# KiCad board 8851_HW-U1-VCU118_REV2-0_071417.kicad_pcb (continued)
## Routing (per net, layer and track width the routed paths; a pad name or vN(x,y) marks a point on that pad's centre or on a via; arc(x,y) is an arc through that point) (continued)
  21_GND w0.5: 54.23,112.45 J32.2 ; J32.2 55.53,111.15 ; J32.2 56.49,113.42 ; J32.2 56.49,111.49 ; J32.2 56.83,112.45 ; J32.2 54.56,113.42 ; J32.2 55.53,113.75 ; J32.2 54.56,111.49 ; 30.93,101.67 J30.4 ; J30.4 33.2,100.7 ; J30.4 32.87,101.67 ; J30.4 32.87,99.74 ; J30.4 30.93,99.74 ; J30.4 31.9,102 ; J30.4 30.6,100.7 ; J30.4 31.9,99.4 ; 84.06,133.42 J34.4 ; J34.4 83.73,132.45 ; J34.4 86.33,132.45 ; J34.4 84.06,131.49 ; J34.4 85.03,131.15 ; J34.4 85.99,131.49 ; J34.4 85.99,133.42 ; J34.4 85.03,133.75 ; J32.3 55.53,108.75 ; J32.3 54.56,108.42 ; J32.3 56.49,108.42 ; J32.3 56.83,107.45 ; J32.3 56.49,106.49 ; J32.3 54.23,107.45 ; J32.3 54.56,106.49 ; J32.3 55.53,106.15 ; J33.3 56.49,94.74 ; J33.3 54.23,95.7 ; J33.3 54.56,94.74 ; J33.3 55.53,94.4 ; J33.3 56.49,96.67 ; J33.3 54.56,96.67 ; J33.3 56.83,95.7 ; J33.3 55.53,97 ; 68.28,126.15 J35.3 ; J35.3 69.24,128.42 ; J35.3 69.24,126.49 ; J35.3 68.28,128.75 ; J35.3 67.31,126.49 ; J35.3 67.31,128.42 ; J35.3 69.58,127.45 ; J35.3 66.98,127.45 ; 30.6,95.7 J30.5 ; J30.5 32.87,96.67 ; J30.5 31.9,94.4 ; J30.5 33.2,95.7 ; J30.5 32.87,94.74 ; J30.5 31.9,97 ; J30.5 30.93,96.67 ; J30.5 30.93,94.74 ; 59.56,96.67 J33.5 ; J33.5 61.83,95.7 ; J33.5 61.49,96.67 ; J33.5 60.53,94.4 ; J33.5 59.23,95.7 ; J33.5 59.56,94.74 ; J33.5 61.49,94.74 ; J33.5 60.53,97 ; 72.31,131.49 J35.4 ; J35.4 72.31,133.42 ; J35.4 74.58,132.45 ; J35.4 71.98,132.45 ; J35.4 73.28,131.15 ; J35.4 74.24,133.42 ; J35.4 73.28,133.75 ; J35.4 74.24,131.49 ; J30.3 28.2,95.7 ; J30.3 25.93,96.67 ; J30.3 25.6,95.7 ; J30.3 27.87,94.74 ; J30.3 26.9,94.4 ; J30.3 27.87,96.67 ; J30.3 26.9,97 ; J30.3 25.93,94.74 ; 59.23,107.45 J32.5 ; J32.5 60.53,106.15 ; J32.5 59.56,108.42 ; J32.5 59.56,106.49 ; J32.5 61.49,106.49 ; J32.5 60.53,108.75 ; J32.5 61.83,107.45 ; J32.5 61.49,108.42 ; J34.2 80.99,131.49 ; J34.2 79.06,133.42 ; J34.2 80.99,133.42 ; J34.2 80.03,133.75 ; J34.2 79.06,131.49 ; J34.2 81.33,132.45 ; J34.2 80.03,131.15 ; J34.2 78.73,132.45 ; J31.4 21.12,99.74 ; J31.4 21.45,100.7 ; J31.4 20.15,99.4 ; J31.4 19.18,101.67 ; J31.4 20.15,102 ; J31.4 19.18,99.74 ; J31.4 21.12,101.67 ; J31.4 18.85,100.7 ; J31.5 21.12,96.67 ; J31.5 20.15,94.4 ; J31.5 21.45,95.7 ; J31.5 19.18,94.74 ; J31.5 19.18,96.67 ; J31.5 18.85,95.7 ; J31.5 21.12,94.74 ; J31.5 20.15,97 ; J31.3 15.15,97 ; J31.3 14.18,96.67 ; J31.3 14.18,94.74 ; J31.3 16.45,95.7 ; J31.3 16.12,96.67 ; J31.3 16.12,94.74 ; J31.3 13.85,95.7 ; J31.3 15.15,94.4 ; 14.18,99.74 J31.2 ; J31.2 16.12,99.74 ; J31.2 16.12,101.67 ; J31.2 13.85,100.7 ; J31.2 15.15,102 ; J31.2 15.15,99.4 ; J31.2 14.18,101.67 ; J31.2 16.45,100.7 ; 83.73,127.45 J34.5 ; J34.5 85.03,128.75 ; J34.5 84.06,126.49 ; J34.5 86.33,127.45 ; J34.5 85.99,128.42 ; J34.5 85.99,126.49 ; J34.5 85.03,126.15 ; J34.5 84.06,128.42 ; J34.3 81.33,127.45 ; J34.3 79.06,128.42 ; J34.3 80.99,128.42 ; J34.3 80.03,126.15 ; J34.3 79.06,126.49 ; J34.3 80.99,126.49 ; J34.3 80.03,128.75 ; J34.3 78.73,127.45 ; 59.23,112.45 J32.4 ; J32.4 60.53,111.15 ; J32.4 59.56,111.49 ; J32.4 61.83,112.45 ; J32.4 61.49,111.49 ; J32.4 60.53,113.75 ; J32.4 59.56,113.42 ; J32.4 61.49,113.42 ; 73.28,126.15 J35.5 ; J35.5 71.98,127.45 ; J35.5 72.31,126.49 ; J35.5 73.28,128.75 ; J35.5 74.58,127.45 ; J35.5 74.24,126.49 ; J35.5 72.31,128.42 ; J35.5 74.24,128.42 ; 67.31,131.49 J35.2 ; J35.2 69.24,133.42 ; J35.2 68.28,133.75 ; J35.2 67.31,133.42 ; J35.2 66.98,132.45 ; J35.2 69.58,132.45 ; J35.2 69.24,131.49 ; J35.2 68.28,131.15 ; 54.56,99.74 J33.2 ; J33.2 56.49,101.67 ; J33.2 54.56,101.67 ; J33.2 55.53,102 ; J33.2 56.49,99.74 ; J33.2 55.53,99.4 ; J33.2 54.23,100.7 ; J33.2 56.83,100.7 ; 59.56,101.67 J33.4 ; J33.4 59.56,99.74 ; J33.4 60.53,102 ; J33.4 61.83,100.7 ; J33.4 61.49,101.67 ; J33.4 60.53,99.4 ; J33.4 61.49,99.74 ; J33.4 59.23,100.7 ; J30.2 27.87,101.67 ; J30.2 26.9,102 ; J30.2 25.6,100.7 ; J30.2 26.9,99.4 ; J30.2 25.93,101.67 ; J30.2 27.87,99.74 ; J30.2 28.2,100.7 ; J30.2 25.93,99.74
  BOTTOM w0.15: v2(78.07,116.31) 78.58,115.8 79.22,115.8 79.55,115.47 79.55,115.12 80.37,114.3 80.38,114.3 80.38,113.71 80.53,113.56 80.53,113.15 80.24,112.86 80.22,112.86 80.22,112.86 79.55,112.86 v2(79.06,112.37) ; 176.5,32.81 175.52,31.83 174.27,31.83 173.3,32.81 173.3,35.25 172.85,35.7 172.85,36.28 172.25,36.88 171.57,36.88 171.19,36.49 U31.7 168.61,36.49 168.41,36.69 168.41,36.91 168.61,37.11 U31.6 ; 224.4,85.58 v3(224.4,86.77) ; v3(52.74,76.92) U33.10 ; R1318.2 205.44,102.23 v3(204.99,101.78) ; v3(204.99,91.53) 205.44,91.98 R1317.2 ; v3(204.99,111.95) 205.44,112.41 R1319.2 ; v3(204.99,81.28) 205.44,81.73 R170.2 ; R891.2 v3(119.98,167.78) ; 55.29,131.93 55.29,132.69 55.36,132.76 55.36,133.26 54.79,133.26 54.76,133.23 R992.2 C1289.2 ; v3(8.79,166.01) 7.89,165.11 U154.13 ; 18.01,167.52 v3(18.01,165.23) ; 71.13,107.55 71.67,108.09 71.67,108.92 v2(71.18,109.41) 70.69,108.92 70.69,107.99 71.13,107.55
  BOTTOM w0.175: 34.63,68.23 34.63,68.73 34.8,68.91 v3(35.58,68.91)
  BOTTOM w0.188: 140,96.89 140,96.29 139.93,96.22 139.93,95.79 140.19,95.53 140.19,94.73 138.7,93.24 134.7,93.24 129.36,87.9 128.97,87.9 128.73,87.65 128.73,87.27 128.4,86.95 127.96,86.95 127.65,86.64 127.65,86.23 127.38,85.96 127.01,85.96 126.71,85.66 126.71,85.29 126.41,84.99 126.04,84.99 125.72,84.68 125.72,84.27 125.45,83.99 125.01,83.99 124.74,83.73 124.74,78.32 124.5,78.08 120.12,78.08 119.83,77.77 119.83,77.42 119.33,76.92 v2(119.33,76.62) ; 130.01,99.55 129.53,99.07 129.53,92.45 125.73,88.65 125.73,85.29 125.44,85 125.06,85 124.71,84.65 124.71,84.24 124.44,83.96 123.99,83.96 123.76,83.73 123.76,80.24 123.58,80.06 123.47,80.06 123.06,80.06 123.06,80.06 123.06,80.04 122.77,79.76 122.77,79.31 122.54,79.08 121.79,79.08 v2(121.3,78.59) ; 149.06,85.12 148.87,85.31 143.55,85.31 142.68,86.19 138.84,86.19 138.62,85.97 135.86,85.97 135.57,85.68 135.57,85.32 135.23,84.98 134.89,84.98 134.58,84.68 134.58,84.3 134.28,84 133.87,84 133.6,83.73 133.6,83.28 133.32,83 131.89,83 131.65,82.76 131.65,76.11 v2(132.12,75.63) ; v2(128.19,77.6) 128.68,78.09 128.68,82.71 128.98,83.01 130.38,83.01 130.65,83.29 130.65,83.7 130.95,84 131.36,84 131.65,84.29 131.65,84.7 131.95,85 133.31,85 133.62,85.31 133.62,85.69 133.89,85.95 134.3,85.95 134.6,86.25 134.6,86.7 134.85,86.95 135.26,86.95 135.53,87.21 135.53,87.87 135.88,88.22 143.33,88.22 144.83,86.72 148.89,86.72 149.08,86.53 ; v2(97.67,111.54) 98.15,112.02 99.85,112.02 99.88,112 100.79,112 101.75,111.04 102.55,111.04 102.95,111.44 102.95,111.81 102.22,112.54 102.22,114.31 102.77,114.86 ; v2(129.17,88.43) 128.93,88.67 128.93,90.5 137.76,99.34 137.76,100.42 ; 143.12,31.59 143.12,31.85 140.4,34.57 140.4,40.53 138.5,42.42 138.5,43.29 138.15,43.64 137.81,43.64 137.54,43.91 137.54,44.39 137.3,44.63 136.93,44.63 136.55,45 136.55,49.3 136.3,49.55 129.93,49.55 129.66,49.82 129.66,50.23 129.36,50.53 126.01,50.53 125.73,50.82 125.73,51.27 125.48,51.52 125.01,51.52 124.74,51.79 124.74,52.28 124.52,52.5 124.06,52.5 123.76,52.81 123.76,53.21 123.48,53.49 123.04,53.49 122.77,53.76 122.77,54.2 122.28,54.69 v2(122.28,54.96)
  BOTTOM w0.2: v3(53.25,76.32) 53.43,76.5 U33.1 ; v3(145.08,104.72) 145.08,104.28 144.77,103.98 144.77,103.44 ; 51.14,78.32 51.41,78.32 v3(51.82,78.73) 52.23,78.32 52.74,78.32 ; 53.82,78.61 53.82,79.46 v3(53.81,79.47) 53.43,79.09 53.43,78.61 ; v3(50.76,76.34) 50.45,76.65 U22.2
  BOTTOM w0.237: 100.54,116.43 99.68,116.43 v2(99.65,116.46)
  BOTTOM w0.25: C1209.2 159.41,51.72 v1(159.41,51.53) ; v1(157.83,93.16) C1202.2 ; v1(157.83,44.45) 157.98,44.3 C1210.2 ; C1228.2 159.8,37.8 v1(159.41,37.41) ; v1(159.41,93.16) 159.8,93.55 C1221.2 ; C1161.2 167.55,30.5 v3(167.49,30.56) ; C1222.2 157.98,85.92 v1(157.83,86.07) ; 159.31,58.37 160.14,58.37 v1(160.19,58.32) ; 151.67,31.23 152.2,31.23 v1(152.32,31.11) ; C1178.2 153.73,37.57 v1(153.9,37.41) ; v3(144.26,99.55) 144.28,99.57 144.28,100.53 ; 165.18,66.98 v3(165.18,67.87) ; v4(38.88,105) 38.38,104.5 37.42,104.5 ; v1(155.47,30.32) 154.76,29.62 C1160.2 ; 175.49,49.81 175.51,49.82 v3(175.51,50.71) ; v1(164.92,72.2) 165.17,71.94 C1197.2 ; v1(159.41,65.41) 159.41,65.6 C1213.2 ; v1(155.47,46.81) 154.8,47.48 C1211.2 ; C1175.2 161.71,93.88 v1(160.98,93.16) ; 189.45,26.72 189.32,26.59 188.08,26.59 ; 56.27,129.03 56.27,128.14 v3(56.71,127.71) ; 161.69,68.88 161.86,69.05 161.86,69.83 v3(160.97,69.83) ; v3(143.23,118.86) 143.23,119.87 ; 161.69,82.74 161.69,83.24 161.86,83.41 161.86,83.7 v3(161.22,83.7) ; v1(160.98,37.41) 161.71,38.13 C1177.2 ; C1401.2 155.54,117.63 156,117.17 v3(156,116.9) 156.13,116.77 156.13,115.75 ; v1(164.92,44.45) 165.17,44.19 C1189.2 ; C1214.2 157.98,58.17 v1(157.83,58.32) ; v1(162.56,58.32) 162.8,58.08 C1147.2 ; 218.31,46.71 217.05,46.71 216.78,46.98 U4.20 ; v1(153.9,93.16) 153.73,93.32 C1174.2 ; 183.56,134.84 182.3,134.84 182.03,135.11 U30.20 ; v1(160.98,65.41) 161.61,65.41 161.92,65.72 C1168.2 ; v1(153.9,65.41) 153.73,65.57 C1169.2 ; v3(164.95,53.84) 164.96,53.83 164.96,53.82 165.18,53.59 165.18,53.11 ; 159.31,44.5 160.14,44.5 v1(160.19,44.45) ; C1162.2 162.8,30.08 v1(162.56,30.32) ; v3(165.43,140.17) 165.43,139.14 165.65,138.92 165.57,138.83 165.57,137.67 ; v1(157.83,65.41) C1194.2 ; 203.72,62.67 204.19,62.67 204.65,63.12 v3(204.92,63.12) 205.05,63.25 206.07,63.25 ; v4(38.88,104) 38.88,104.01 40.33,104.01 ; C1216.2 154.8,61.36 v1(155.47,60.68) ; v1(160.19,72.2) 160.14,72.25 159.31,72.25 ; 164.06,66.98 v3(164.06,67.87) ; v1(157.83,37.41) C1207.2 ; 154.75,93.99 154.75,93.88 v1(155.47,93.16) ; v1(155.47,79.28) 154.75,80.01 154.75,80.12 ; 56.76,131.93 56.78,131.95 56.78,132.91 v3(56.98,133.11) ; 154.75,52.24 155.45,51.53 v1(155.47,51.53) ; v1(155.47,86.07) 154.76,85.37 C1154.2 ; C1220.2 157.98,72.05 v1(157.83,72.2) ; C1145.2 154.76,43.74 v1(155.47,44.45) ; 159.21,135.28 159.2,135.29 v3(158.31,135.29) ; v1(162.56,86.07) 162.8,85.83 C1153.2 ; C1227.2 154.8,33.36 v1(155.47,32.68) ; C1172.2 153.73,79.45 v1(153.9,79.28) ; 164.06,80.86 v3(164.06,81.62) ; v3(212.07,63) 211.81,63.25 U6.20 ; C1204.2 165.17,30.07 v1(164.92,30.32) ; v3(161.05,42.12) 161.09,42.08 161.86,42.08 161.86,41.3 161.69,41.13 ; v1(152.32,86.86) 152.2,86.98 151.67,86.98 ; C1144.2 162.8,44.2 v1(162.56,44.45) ; 165.18,80.86 v3(165.18,81.62) ; 161.86,55.95 v3(161.18,55.95) ; C1148.2 154.76,57.62 v1(155.47,58.32) ; v1(155.47,37.41) 154.75,38.13 154.75,38.24 ; C1166.2 153.73,51.7 v1(153.9,51.53) ; C1165.2 161.92,51.95 161.51,51.53 v1(160.98,51.53) ; v1(162.56,72.2) 162.8,71.95 C1150.2 ; C1224.2 154.8,89.11 v1(155.47,88.43) ; 154.75,66.12 154.76,66.12 155.36,65.52 v1(155.47,65.41) ; v1(157.83,51.53) C1188.2 ; v3(180.38,43.58) 179.35,43.58 179.13,43.37 179.05,43.45 177.88,43.45 ; C1219.2 154.8,75.23 v1(155.47,74.56) ; 144.71,115.6 v1(144.71,116.61) ; v1(155.47,72.2) 154.76,71.49 C1151.2 ; 45.31,115.65 45.31,116.11 44.85,116.57 v3(44.85,116.85) 44.72,116.98 44.72,118 ; C1146.2 165.3,57.49 C1193.2 165.17,58.07 v1(164.92,58.32) ; C1143.2 162.67,41.56 162.49,41.74 162.49,42.08 v3(163.15,42.08) ; 164.06,53.11 v3(164.06,53.8)
  BOTTOM w0.3: 82.9,108.07 82.38,108.07 v2(82.01,108.43) ; v1(157.83,79.28) 157.68,79.43 C1196.2 ; 174.64,37.11 173.66,37.11 173.38,36.83 v3(173.38,36.49) 174.64,36.49 ; v2(83.88,113.51) 83.68,113.3 82.9,113.3 ; C1575.2 150.38,75.42 v3(150.75,75.8) 150.75,76.05 150.38,76.42 C1450.2 ; 187.18,151.48 v3(187.18,152.56) ; v2(83.89,111.54) 83.52,111.17 82.9,111.17 ; C1269.2 97.9,121.61 v2(97.67,121.38) ; 160.33,56.37 160.77,56.37 v3(161.18,55.95) ; 151.62,80.06 151.26,80.06 v3(150.75,79.55) ; 183.32,117.04 184.11,117.04 v3(184.4,116.75) 184.38,116.75 184.38,116.72 184.19,116.54 183.32,116.54 ; 8.25,82.76 8.25,83.12 8.04,83.32 v3(7.88,83.32) ; v3(7.88,70.7) 8.25,70.33 8.25,70.13 ; 160.25,42.43 160.73,42.43 v3(161.05,42.12) ; C1171.2 161.53,79.83 v1(160.98,79.28) ; 82.9,118.55 83.88,118.55 v2(83.89,118.55) ; C1226.2 157.98,30.17 v1(157.83,30.32) ; Z8.2 176.54,35.64 v3(176.12,36.05) ; 82.9,116.55 83.79,116.55 v2(83.89,116.46) ; v1(159.41,79.28) 159.62,79.5 C1218.2 ; v3(36.27,104.52) 36.3,104.5 37.42,104.5 ; 191.46,64.94 v3(191.46,63.95) ; 185.7,155.75 v3(185.7,154.64) ; C154.2 v3(191.07,118.78)
  BOTTOM w0.375: v3(219.57,43.77) 220.78,43.77 220.78,43.77 ; 49.38,81.31 49.38,80.8 v3(49.62,80.55) ; v3(150.62,39.55) C1467.2 149.99,39.55 R116.2 ; C803.2 v3(22.87,140.88) ; v3(147.2,132.23) 147.74,131.69 C1636.2 ; v3(51.87,127.43) 51.87,128.11 52.33,128.57 52.75,128.15 v3(52.75,127.43) ; v2(86.84,120.4) 86.15,121.09 C1281.2 ; 73.97,55.06 v1(74.37,55.45) ; 56.56,115.94 56.56,115.49 v3(56.77,115.27) ; v3(91.22,32.48) 91.22,31.51 90.64,30.93 90.12,31.44 v3(90.12,32.48) ; R356.2 v3(61.78,137.2) ; 234.29,115.44 v3(234.29,116.37) ; 217.53,60.33 J23.1 ; J23.1 219.8,61.3 ; J23.1 219.47,62.27 ; J23.1 217.2,61.3 ; J23.1 219.47,60.33 ; J23.1 218.5,62.6 ; J23.1 217.53,62.27 ; 18.6,89.53 18.3,89.53 v3(17.4,88.62) ; 229.3,39.27 230.27,40.24 ; 229.3,39.27 228.33,40.24 ; 229.3,39.27 228.33,38.3 ; 229.3,39.27 228,39.27 ; 229.3,39.27 230.27,38.3 ; C1109.2 v3(122.24,159.41) ; 165.18,94.73 v3(166.25,94.73) ; 78.7,49.55 v1(79.09,49.15) ; 228.33,28.3 229.3,29.27 ; 229.3,29.27 230.27,30.24 ; 229.3,29.27 230.27,28.3 ; 229.3,29.27 228.33,30.24 ; 229.3,29.27 228,29.27 ; 10.8,40.04 11.81,41.05 ; 11.81,41.05 10.8,42.06 ; 11.81,41.05 11.81,42.41 ; 11.81,41.05 12.82,40.04 ; 11.81,41.05 12.82,42.06 ; 11.81,41.05 11.81,39.69 ; 11.81,41.05 13.17,41.05 ; 11.81,41.05 10.45,41.05 ; 20.67,41.05 22.03,41.05 ; 20.67,41.05 19.66,42.06 ; 20.67,41.05 20.67,42.41 ; 20.67,41.05 20.67,39.69 ; 20.67,41.05 19.31,41.05 ; 20.67,41.05 21.68,42.06 ; 20.67,41.05 21.68,40.04 ; 20.67,41.05 19.66,40.04 ; 26.25,141.06 v3(26.25,139.73) ; 32.99,77.52 v3(32.99,79.29) ; J26.1 197.68,127.3 ; J26.1 197.34,126.33 ; J26.1 195.41,128.27 ; J26.1 195.07,127.3 ; J26.1 195.41,126.33 ; J26.1 196.38,128.6 ; J26.1 197.34,128.27 ; 67.67,76.51 v1(67.28,76.11) ; 45.13,138.18 45.12,138.18 45,138.3 v3(44.35,138.3) 43.97,138.3 R204.2 ; MH4.1 8.02,146.46 ; MH4.1 5.38,140.14 ; MH4.1 8.02,141.16 ; MH4.1 5.38,147.49 ; MH4.1 9.05,143.81 ; v3(178.95,120.06) 178.39,120.06 177.73,119.4 C163.2 177.73,119.22 178.37,118.58 v3(179.02,118.58) ; 32.94,33.57 33.96,34.58 ; 33.96,34.58 33.96,35.94 ; 33.96,34.58 33.96,33.22 ; 33.96,34.58 32.94,35.59 ; 33.96,34.58 34.97,35.59 ; 33.96,34.58 32.59,34.58 ; 33.96,34.58 34.97,33.57 ; 33.96,34.58 35.32,34.58 ; 26.51,110.8 v3(25.8,110.8) ; v3(44.37,136.74) 44.12,136.49 C133.2 ; 7.38,58.39 7.38,59.75 ; 7.38,59.75 8.74,59.75 ; 7.38,59.75 6.37,60.76 ; 7.38,59.75 6.37,58.74 ; 7.38,59.75 6.02,59.75 ; 7.38,59.75 8.4,60.76 ; 7.38,59.75 8.4,58.74 ; 7.38,59.75 7.38,61.11 ; 33.75,139.81 34.87,139.81 34.87,139 v4(34.75,138.88) ; 122.88,31.92 122.88,32.55 122.85,32.57 v3(122.85,33.23) ; 11.05,160.78 11.83,160.78 v3(12.21,160.4) ; C862.2 38.44,103.57 v4(38.88,104) ; C820.2 v3(18.92,125.83) ; 25.21,126.16 26.51,126.16 ; 26.51,126.16 25.54,127.13 ; 26.51,126.16 27.48,125.19 ; 26.51,126.16 25.54,125.19 ; 36.75,134.92 36.75,135.9 v4(36.71,135.94) ; v3(54.96,61.78) 54.96,60.5 54.96,59.89 55.61,59.24 55.61,58.08 ; 229.3,31.77 230.27,30.8 ; 229.3,31.77 228.33,30.8 ; 229.3,31.77 228.33,32.74 ; 229.3,31.77 228,31.77 ; 229.3,31.77 230.27,32.74 ; 227.55,63.97 228.52,64.94 ; 227.55,63.97 226.58,63 ; 227.55,63.97 228.85,63.97 ; 227.55,63.97 226.58,64.94 ; 227.55,63.97 228.52,63 ; 163.94,19.5 163.26,19.5 v3(162.95,19.19) ; v3(183.16,143.21) 183.33,143.03 183.33,142.39 ; v1(160.19,30.32) 160.14,30.37 159.31,30.37 ; 7.38,89.55 MH7.1 ; MH7.1 10.02,90.58 ; MH7.1 7.38,96.9 ; MH7.1 11.05,93.22 ; MH7.1 10.02,95.87 ; v3(38.6,106.12) 38.76,106.28 38.76,106.77 C876.2 39.5,107.3 39.62,107.17 39.62,106.35 v3(39.38,106.1) ; R1074.2 50.54,114.56 v3(50.55,114.57) ; C1296.2 77.11,105.9 v3(76.78,105.57) ; 48.23,23.47 47.83,23.47 v3(47.22,22.87) ; v3(116.48,27.68) 116.25,27.91 116.25,29.68 ; 2.92,161.66 1.59,161.66 v3(1.2,162.05) ; 35.62,134.92 35.62,135.83 v4(35.73,135.94) ; 77.12,82.02 v1(77.52,82.41) ; 71.61,90.38 v1(71.22,89.99) ; v3(122.42,124.17) 121.36,124.17 C1740.2 121.33,125.4 v3(122.45,125.4) ; 198.3,153.95 v3(197.55,153.95) ; v4(37.69,135.94) 37.84,135.79 37.84,134.92 38.63,134.92 39.03,134.52 39.5,134.52 ; 47.55,41.05 48.92,41.05 ; 48.92,41.05 49.93,42.06 ; 48.92,41.05 48.92,42.41 ; 48.92,41.05 48.92,39.69 ; 48.92,41.05 47.9,40.04 ; 48.92,41.05 49.93,40.04 ; 48.92,41.05 47.9,42.06 ; 48.92,41.05 50.28,41.05 ; 73.97,96.68 v1(74.37,97.08) ; C1649.2 v3(123.57,168.52) ; 70.82,68.93 v1(71.22,69.33) ; v4(37.69,138.88) 38,139.19 38,139.81 40.05,139.81 40.16,139.91 ; 23.48,125.53 v3(22.68,125.53) ; v3(150.75,77.05) 150.25,77.55 C1453.2 ; 193.34,132.92 194.64,132.92 ; 193.34,132.92 193.34,134.22 ; 193.34,132.92 194.31,133.89 ; 193.34,132.92 194.31,131.95 ; 193.34,132.92 192.04,132.92 ; 193.34,132.92 193.34,131.62 ; 193.34,132.92 192.37,131.95 ; 96.58,99.42 96.63,99.47 96.63,100.2 v3(96.58,100.25) ; 80.86,120.94 80.86,120.41 v2(81.03,120.24) ; 138.32,19.64 138.32,20.85 137.25,21.91 ; 29.53,41.05 29.53,42.41 ; 29.53,41.05 28.51,40.04 ; 29.53,41.05 30.89,41.05 ; 29.53,41.05 30.54,40.04 ; 29.53,41.05 29.53,39.69 ; 29.53,41.05 28.16,41.05 ; 29.53,41.05 28.51,42.06 ; 29.53,41.05 30.54,42.06 ; 231.33,81.14 232.3,80.17 ; 232.3,80.17 231.33,79.21 ; 232.3,80.17 231,80.17 ; 151.15,98.14 151.15,97.51 v3(151.28,97.39) ; 203.58,82.67 204.21,82.05 v3(204.21,81.28) ; 53.44,52.8 52.65,52.8 v5(52.61,52.76) ; 120.75,99.42 v3(120.75,100.17) ; C640.2 125.29,136.59 v3(125.31,136.57) ; v2(88.81,115.47) 89.04,115.25 89.04,114.43 ; 110.88,30.81 110.88,30.48 v3(111.22,30.12) ; 110.88,30.81 114.05,30.81 v3(114.19,30.95) ; 110.88,30.81 108.72,30.81 v3(108.65,30.88) ; v3(153.3,103.55) 153.65,103.2 153.65,102.88 ; 99.65,121.3 v2(99.65,122.55) ; v3(171.65,120.62) 170.72,120.62 169.73,119.63 C153.2 169.73,119.32 170.85,118.2 v3(171.67,118.2) ; 229.3,36.77 230.27,35.8 ; 229.3,36.77 228.33,35.8 ; 229.3,36.77 230.27,37.74 ; 229.3,36.77 228.33,37.74 ; 228,34.27 229.3,34.27 ; 229.3,34.27 230.27,33.3 ; 229.3,34.27 228.33,35.24 ; 229.3,34.27 230.27,35.24 ; 229.3,34.27 228.33,33.3 ; v3(168.2,41.15) 168.38,41.33 169.01,41.33 ; 34.23,104.67 33.98,104.67 v3(33.48,104.17) ; 188.6,164.87 188.6,164.11 v3(188.98,163.73) ; 62.35,150.94 62.27,150.94 60.89,149.57 59.14,149.57 v3(59.14,148.58) ; 62.35,150.94 63.44,150.94 ; 62.35,150.94 v3(62.37,150.94) ; 151.38,71.3 151.38,71.3 v3(150.75,71.92) 150.68,72 C334.2 C1571.2 ; C1293.2 95.77,122.56 96.21,123 97.52,123 97.9,122.62 C1269.2 ; 7.38,34.58 8.4,35.59 ; 7.38,34.58 6.37,35.59 ; 7.38,34.58 7.38,33.22 ; 7.38,34.58 6.37,33.57 ; 7.38,34.58 7.38,35.94 ; 7.38,34.58 6.02,34.58 ; 7.38,34.58 8.4,33.57 ; 7.38,34.58 8.74,34.58 ; 76.34,82.81 v1(76.73,83.2) ; 52.66,55.32 54.03,55.32 ; 54.03,55.32 53.01,56.34 ; 54.03,55.32 54.03,53.96 ; 54.03,55.32 54.03,56.68 ; 54.03,55.32 55.04,56.34 ; 54.03,55.32 55.04,54.31 ; 54.03,55.32 53.01,54.31 ; 100.54,116.43 100.54,116.59 101.52,117.57 C1232.2 ; 44.49,59.75 45.5,60.76 ; 44.49,59.75 43.47,60.76 ; 44.49,59.75 45.85,59.75 ; 44.49,59.75 45.5,58.74 ; 44.49,59.75 43.13,59.75 ; 44.49,59.75 44.49,61.11 ; J105.6 102.41,126.14 ; J105.6 100.47,126.14 ; J105.6 101.44,125.81 ; 15.23,35.59 16.24,34.58 ; 16.24,34.58 15.23,33.57 ; 16.24,34.58 14.88,34.58 ; 16.24,34.58 16.24,35.94 ; 16.24,34.58 16.24,33.22 ; 16.24,34.58 17.25,33.57 ; 16.24,34.58 17.25,35.59 ; 16.24,34.58 17.6,34.58 ; v3(150.75,78.3) 150.38,78.67 C1452.2 ; 230.15,79.83 230.15,78.99 v3(230.51,78.62) 230.37,78.48 C74.2 ; 129.5,30.68 130.62,30.68 130.62,29.54 v3(130.53,29.44) ; 163.82,21.69 v3(164.75,21.69) ; 23.61,89.87 24.58,88.9 ; 24.58,88.9 25.55,89.87 ; 24.58,88.9 25.88,88.9 ; 24.58,88.9 24.58,90.2 ; 24.58,88.9 25.55,87.93 ; 24.58,88.9 23.61,87.93 ; 24.58,88.9 23.28,88.9 ; v3(99.45,100.17) 99.38,100.1 99.38,99.42 ; 40.98,107.79 40.76,107.79 v3(40.12,108.42) ; 166.52,119.42 165.81,118.72 v3(164.86,118.72) ; v3(121.95,107.85) 121.16,107.85 C1737.2 121.31,106.35 v3(122,106.35) ; 151.62,73.92 152.18,73.92 v1(152.32,73.77) ; 51.25,24.19 51.25,23.6 51.98,22.87 v3(52.6,22.87) ; C811.2 v3(16.79,125.76) ; C252.2 R4.2 150.62,49.8 v3(150.85,49.58) ; 28.25,64 J36.1 ; J36.1 29.55,64 ; J36.1 29.55,65.3 ; J36.1 26.95,66.6 ; J36.1 28.25,66.6 ; J36.1 29.55,66.6 ; J36.1 26.95,64 ; 171.79,17.08 171.79,16.62 v4(172.35,16.06) ; 147.98,107.92 147.98,108.41 v3(148.75,109.17) ; C775.2 27.49,123.51 v3(27.75,123.25) ; 219.57,16.43 J25.1 ; J25.1 221.84,17.39 ; J25.1 220.88,17.73 ; J25.1 222.18,16.43 ; J25.1 219.91,15.46 ; J25.1 219.91,17.39 ; J25.1 220.88,15.12 ; J25.1 221.84,15.46 ; 51.84,146.75 53.03,146.75 53.03,146.76 53.03,146.13 v3(53.16,146) ; 79.48,91.17 v1(79.88,90.78) ; 53.69,167.86 v3(52.7,167.86) ; v6(16.83,136.78) 16.24,137.37 16.05,137.37 ; 26.48,107.1 v3(25.77,107.1) ; v3(5.7,156.92) 5.3,157.32 5.3,157.66 5.05,157.91 ; 114.62,99.42 114.62,100.14 v3(114.65,100.17) ; v3(150.75,73.3) 150.62,73.17 R378.2 ; 16.24,59.75 16.24,61.11 ; 16.24,59.75 15.23,60.76 ; 16.24,59.75 17.25,60.76 ; 16.24,59.75 16.24,58.39 ; 16.24,59.75 15.23,58.74 ; 16.24,59.75 14.88,59.75 ; 16.24,59.75 17.6,59.75 ; 16.24,59.75 17.25,58.74 ; v3(212.75,163.16) 211.88,163.16 211.88,163.17 ; 229.5,88.54 229.5,88.8 v3(229.12,89.17) 228.49,89.17 C73.2 ; 123.41,157.99 v3(124.42,157.99) ; C1285.2 70.9,113.64 v2(71.18,113.35) ; v3(168.32,59.12) 167.44,59.12 167,59.57 167.46,60.03 v3(168.3,60.03) ; 20.67,15.88 21.68,16.89 ; 20.67,15.88 19.66,14.86 ; 20.67,15.88 19.31,15.88 ; 20.67,15.88 20.67,17.24 ; 20.67,15.88 22.03,15.88 ; 20.67,15.88 20.67,14.52 ; 20.67,15.88 19.66,16.89 ; 20.67,15.88 21.68,14.86 ; v3(79,104.83) 79,105.59 80.25,105.59 ; 53.01,24.08 54.03,23.06 ; 54.03,23.06 53.01,22.05 ; 54.03,23.06 54.03,21.7 ; 164.9,102.88 v3(164.9,103.58) ; 25.1,59.75 26.11,58.74 ; 25.1,59.75 25.1,61.11 ; 25.1,59.75 25.1,58.39 ; 25.1,59.75 26.46,59.75 ; 25.1,59.75 23.74,59.75 ; 25.1,59.75 24.08,60.76 ; 25.1,59.75 26.11,60.76 ; 25.1,59.75 24.08,58.74 ; 114.1,132.78 MH2.1 ; MH2.1 119.4,132.78 ; MH2.1 113.07,135.43 ; MH2.1 114.1,138.07 ; MH2.1 119.4,138.07 ; MH2.1 120.43,135.43 ; MH2.1 116.75,139.1 ; 76.34,96.68 v1(76.73,97.08) ; 67.67,48.76 v1(67.28,48.36) ; 44.49,34.58 45.5,35.59 ; 44.49,34.58 43.47,33.57 ; 44.49,34.58 45.5,33.57 ; 44.49,34.58 44.49,33.22 ; 44.49,34.58 44.49,35.94 ; 44.49,34.58 45.85,34.58 ; 44.49,34.58 43.13,34.58 ; 44.49,34.58 43.47,35.59 ; 25.1,33.22 25.1,34.58 ; 25.1,34.58 25.1,35.94 ; 25.1,34.58 23.74,34.58 ; 25.1,34.58 26.11,33.57 ; 25.1,34.58 24.08,35.59 ; 25.1,34.58 24.08,33.57 ; 25.1,34.58 26.11,35.59 ; 25.1,34.58 26.46,34.58 ; 50,74.56 v3(49.21,74.56) ; 149.5,68.65 149.5,68.92 149.99,69.42 C1465.2 150.5,69.8 150.75,70.05 v3(150.75,70.55) ; v3(34.58,131.55) 34.06,131.03 33.25,131.03 ; 54.03,30.15 55.04,29.14 ; 54.03,30.15 53.01,29.14 ; 54.03,30.15 55.39,30.15 ; 54.03,30.15 55.04,31.16 ; 54.03,30.15 53.01,31.16 ; 54.03,30.15 54.03,28.79 ; 54.03,30.15 52.66,30.15 ; 54.03,30.15 54.03,31.51 ; 70.82,41.18 v1(71.22,41.58) ; v3(138.91,23.04) 137.31,23.04 U5.17 ; v3(150.75,79.55) 150.5,79.8 C1455.2 ; v3(64.73,128.98) 64.71,129.01 64.71,129.95 arc(64.64,130.11) 64.48,130.17 64.26,130.17 63.92,129.84 v3(63.92,128.95) ; 152.4,99.13 152.4,99.71 v3(152.52,99.83) ; C774.2 27.99,114.29 v3(28.62,114.92) ; 75.55,62.63 v1(75.94,62.24) ; v3(75.12,107.45) 74.77,107.45 74.46,107.14 C1272.2 ; 77.91,82.81 v1(78.3,83.2) ; R1190.2 58.02,34.84 v3(58.02,34.83) ; v2(75.12,111.38) 74.94,111.57 74.03,111.57 ; 70.04,48.76 v1(69.64,48.36) ; C1442.2 v3(159.83,120.07) ; 5.97,72.17 6.48,72.69 6.48,73.75 6.48,74.67 v3(6.42,74.72) ; 15.06,120.68 15.49,120.68 v3(15.93,120.25) ; 79.48,35.67 v1(79.88,35.28) ; 129.66,152.09 v3(129.66,151.1) ; 131.57,127.5 130.79,127.5 v3(130.29,127) ; 75.55,90.38 v1(75.94,89.99) ; 196.33,35.84 J38.1 ; J38.1 198.09,34.08 ; J38.1 198.43,35.05 ; J38.1 196.07,35.05 ; J38.1 198.09,36.02 ; J38.1 197.12,33.75 ; 234.67,96.4 v3(234.67,97.61) ; v3(98.97,23.8) 98.02,22.85 C204.2 ; 78.7,63.42 v1(79.09,63.03) ; 215.63,162.79 215.63,162.11 v3(215.5,161.98) ; J24.1 170.25,143.48 ; J24.1 169.28,141.21 ; J24.1 170.25,140.87 ; J24.1 171.22,141.21 ; J24.1 168.95,142.18 ; J24.1 171.22,143.14 ; J24.1 169.28,143.14 ; J24.1 171.55,142.18 ; C808.2 v3(12.67,125.57) ; 14.03,65.23 14.41,65.23 v3(15.15,65.97) ; 160.28,102.88 160.28,103.88 v3(160.17,103.98) ; 165.18,38.98 v3(165.18,39.99) ; v3(165.18,39.99) 165.06,39.87 v3(164.06,39.87) 164.06,38.98 ; v3(165.18,39.99) 165.19,39.99 166.38,39.99 166.38,38.96 ; v3(207.75,151.3) 207.48,151.57 206.48,151.57 ; v3(217.62,54.97) 218.08,54.52 218.08,54.27 218.8,54.27 218.84,54.31 219.66,54.31 ; 75.55,34.88 v1(75.94,34.49) ; v3(201.75,66.95) 201.75,66.96 200.72,66.96 ; 140.12,30.68 v3(140.12,29.93) ; 51.25,75.54 51.25,75.85 v3(50.76,76.34) ; 222.13,159.22 v3(221.19,159.22) ; 10.8,16.89 11.81,15.88 ; 11.81,15.88 13.17,15.88 ; 11.81,15.88 10.45,15.88 ; 11.81,15.88 11.81,14.52 ; 11.81,15.88 12.82,16.89 ; 11.81,15.88 11.81,17.24 ; 11.81,15.88 10.8,14.86 ; 11.81,15.88 12.82,14.86 ; R49.2 v3(217.21,30.62) ; 29.53,15.88 29.53,17.24 ; 29.53,15.88 28.51,14.86 ; 29.53,15.88 28.51,16.89 ; 29.53,15.88 30.54,14.86 ; 29.53,15.88 28.16,15.88 ; 29.53,15.88 29.53,14.52 ; 29.53,15.88 30.89,15.88 ; 29.53,15.88 30.54,16.89 ; 11.26,70.9 v3(11.26,71.71) ; 146.44,112.06 145.39,112.06 v3(145.09,111.77) 145.44,111.42 U12.7 ; 226.63,164.19 v3(226.63,163.48) ; 200.74,150.93 201.9,150.93 v3(202.05,151.08) 201.56,151.57 200.74,151.57 ; 40.67,72.67 v3(41.86,72.67) ; 16.05,127.92 16.63,127.92 v6(16.83,128.12) ; 137.25,21.91 v3(138.91,21.91) ; 137.25,21.91 U5.17 ; 36.5,139.81 36.5,139.09 v4(36.71,138.88) ; v3(180.38,43.58) 180.38,42.83 ; 73.97,76.51 v1(74.37,76.11) ; 37.94,114.02 37.17,114.02 36.81,114.38 v3(36.81,117.55) ; 79.48,77.3 v1(79.88,76.9) ; 37.37,40.04 38.39,41.05 ; 38.39,41.05 39.75,41.05 ; 38.39,41.05 37.02,41.05 ; 38.39,41.05 39.4,40.04 ; 38.39,41.05 38.39,39.69 ; 149.33,118.4 149.33,117.79 149.47,117.65 v3(149.82,117.65) ; 141.38,30.68 v3(141.38,30.05) ; 3.42,82.01 3.42,81.42 3.61,81.24 4.91,81.24 v3(5.13,81.02) ; 100.9,121.3 100.9,122.11 v3(101.08,122.28) ; 110.07,99.42 v3(110.07,100.17) ; C834.2 v3(15.12,139.63) ; 179.93,140.59 179.65,140.88 179.65,141.15 v3(179.38,141.43) ; v3(204.21,112.03) 204.21,112.8 203.58,113.42 ; v2(75.12,116.31) 74.88,116.07 74.03,116.07 ; v3(173.9,80.1) 173.9,79.26 C1749.2 175.1,79.29 v3(175.1,80.12) ; v3(165.18,81.62) 166.17,81.62 167,80.78 ; v3(184.07,32.58) 183.95,32.45 183.95,31.84 ; v3(118.46,113.66) 119.09,114.28 119.53,114.28 ; v3(81.38,89.51) 81.55,89.68 83.62,89.68 ; v3(56.58,48.85) 57.46,48.85 ; 149.01,53.05 149.01,54.17 148.97,54.21 148.25,54.21 v3(148.12,54.09) ; 70.04,90.38 v1(69.64,89.99) ; 34.9,111.64 34.44,111.64 34.02,111.22 v3(34.02,111.05) ; 229.3,44.27 230.27,43.3 ; 229.3,44.27 228,44.27 ; 229.3,44.27 230.27,45.24 ; 229.3,44.27 228.33,43.3 ; 229.3,44.27 228.33,45.24 ; 229.3,44.27 229.3,45.57 ; v3(6.42,87.35) 6.48,87.29 6.48,86.37 6.48,85.31 5.97,84.8 ; 72.4,96.68 v1(72.79,97.08) ; 104.51,129.43 104.51,130.54 v3(104,131.05) ; v3(22.68,120.8) 22.73,120.75 22.95,120.75 23.43,121.23 23.43,121.88 ; 75.55,76.51 v1(75.94,76.11) ; C1530.2 v3(192.7,43.47) ; 114.89,54.48 114.91,54.48 v2(115.39,54.96) ; C1573.2 v3(150.75,42.42) ; v3(204.45,56.92) 203.98,56.46 203.42,56.46 ; v3(118.04,159) 118.83,159 119.24,159.41 118.87,159.79 v3(118.04,159.79) ; 103.5,23.42 104.64,23.42 v4(104.72,23.49) 104.72,24.39 105.03,24.71 106.25,24.71 ; 48.92,15.88 48.92,17.24 ; 48.92,15.88 47.9,14.86 ; 48.92,15.88 48.92,14.52 ; 48.92,15.88 50.28,15.88 ; 48.92,15.88 49.93,14.86 ; 48.92,15.88 47.9,16.89 ; 48.92,15.88 47.55,15.88 ; 48.92,15.88 49.93,16.89 ; 32.94,60.76 33.96,59.75 ; 33.96,59.75 33.96,58.39 ; 33.96,59.75 32.94,58.74 ; 33.96,59.75 32.59,59.75 ; v3(142.01,111.13) 141.72,111.42 U12.2 ; 55.61,32.91 55.61,34.13 v3(55.03,34.71) 54.96,34.78 54.96,35.58 ; 113.12,99.42 v3(113.12,100.14) ; 177.12,37.68 177.12,37.05 v3(176.12,36.05) ; 159.21,137.28 v3(158.52,137.28) ; 151.5,62.79 151.41,62.79 v3(150.75,63.45) 150.72,63.42 149.88,63.42 149.88,64.3 149.5,64.67 149.5,65.7 ; 124.41,152.09 v3(124.41,151.1) ; 84.9,108.69 85.75,108.69 v2(85.85,108.58) ; C1464.2 150.28,83.08 v3(150.75,83.55) 150.1,84.2 C1570.2 ; R46.2 v3(218.2,26.6) ; 57.15,149.57 55.53,149.57 v3(55.53,148.58) ; 41.96,171.1 44.07,171.1 ; 44.07,171.1 46.18,171.1 ; 44.07,171.1 45.62,169.56 ; 217.25,162.79 217.25,162.13 v3(217.43,161.96) ; 203.58,92.92 204.21,92.3 v3(204.21,91.53) ; v3(61.25,116.13) 60.96,115.84 60.24,115.84 ; 107.75,30.81 107.75,30.43 v3(108.25,29.93) ; v4(34.75,135.94) 34.75,135.2 34.48,134.93 C103.2 ; 79.48,54.27 v1(79.88,54.66) ; 73.19,91.17 v1(73.58,90.78) ; v3(158.73,71.42) 158.73,69.82 C916.2 160.19,70.19 v3(160.19,71.42) ; 53.01,47.22 54.03,48.24 ; 54.03,48.24 53.01,49.25 ; 54.03,48.24 54.03,46.87 ; 92.9,118.82 93.34,118.82 v2(93.73,118.43) ; v3(2.9,125.27) 2.9,124.1 2.57,123.77 2.05,124.3 v3(2.05,125.27) ; 73.19,77.3 v1(73.58,76.9) ; 29.27,104.38 v3(29.27,103.65) ; C801.2 v3(21.17,125.64) ; 138.08,152.28 v3(138.08,153.36) ; v3(110.94,105.79) 110.94,104.68 110.05,103.8 109.18,104.67 v3(109.18,105.79) ; v3(81.62,78.55) 82.38,77.79 83.62,77.79 ; 155.12,23.31 v3(155.12,22.43) ; v3(185.87,142.72) 185.59,142.43 184.91,142.43 ; 56,15.43 v3(56,14.6) ; R380.2 150.12,48.67 v3(150.75,48.05) ; R47.2 v3(218.2,19.1) ; 38.58,72.21 v3(39.42,72.21) ; 77.12,91.17 v1(77.52,90.78) ; 38.39,15.88 39.75,15.88 ; 38.39,15.88 39.4,14.86 ; 38.39,15.88 38.39,14.52 ; 38.39,15.88 37.02,15.88 ; 38.39,15.88 37.37,14.86 ; 51.25,74.56 v3(51.25,73.89) ; v3(158.93,131.79) 158.93,131.56 159.31,131.19 161.79,131.19 162.22,131.62 162.22,132.54 ; 186.03,131.89 185,131.89 v3(184.53,131.43) ; 152.88,54.06 153.73,53.2 C1166.2 ; 74.03,108.69 74.86,108.69 v2(75.12,108.43) ; 72.4,55.06 v1(72.79,55.45) ; 34.95,108.51 v3(34.13,108.51) ; v3(171.22,47.17) 171.6,46.8 172.76,46.8 ; v6(15.26,130.48) 15.6,130.14 16.05,130.14 ; 204.43,156.57 v3(204.43,155.82) ; 31.75,131.8 31.75,132.94 31.75,132.94 31.41,132.94 v3(31.02,133.33) ; 229.3,41.77 230.27,40.8 ; 229.3,41.77 230.27,42.74 ; 229.3,41.77 228.33,40.8 ; 229.3,41.77 228,41.77 ; 229.3,41.77 228.33,42.74 ; 100.53,107.66 99.69,107.66 v2(99.64,107.6) ; R383.2 150.5,74.3 v3(150.75,74.55) 151.12,74.55 151.75,75.18 ; v3(131.15,16.08) 130.87,15.79 130.38,15.79 ; 214.05,156.57 v3(214.05,155.82) ; 119.39,157.43 v3(118.4,157.43) ; R988.2 92.74,122.68 92.62,122.8 92.62,122.85 v3(92.46,123.01) 92.46,123.84 92.13,124.17 91.62,124.17 ; U5.17 v3(134.69,22.45) ; C920.2 C923.2 151.3,94.05 v3(151.45,94.2) ; 72.4,82.81 v1(72.79,83.2) ; 173.99,15 174.33,15 v3(174.75,14.58) ; C806.2 v3(10.61,125.63) ; 67.67,62.63 v1(67.28,62.24) ; 52.28,149.57 v3(52.28,148.58) ; U131.2 8.63,66.34 v3(8.6,66.38) ; 7.8,127.14 v3(8.56,127.14) ; v3(85.75,122.72) 85.75,123.53 86.27,124.05 86.8,123.52 v3(86.8,122.75) ; 72.4,41.18 v1(72.79,41.58) ; v3(184.75,73.52) 183.51,73.52 C918.2 183.68,74.75 v3(184.78,74.75) ; 119.22,99.42 v3(119.22,100.17) ; v3(5.11,68.37) 4.91,68.58 3.7,68.58 3.42,68.85 3.42,69.38 ; 127.75,15.32 v3(127.04,15.32) ; 68.04,107.58 68.04,108.24 v2(68.23,108.43) ; v3(150.75,45.55) 150.38,45.17 C1463.2 ; C39.2 34.95,64.67 v3(34.95,65.54) ; 79.48,68.15 v1(79.88,68.54) ; 124.3,137.46 v3(123.38,137.46) ; 87.79,106.68 87.26,106.68 87.14,106.57 86.65,106.57 86.65,106.3 v3(86.14,105.79) ; 86.01,24.93 85.43,24.93 v3(85.24,24.73) ; 8.18,125.01 v3(8.94,125.01) ; v2(85.85,115.47) 86.04,115.29 86.04,114.43 ; 79.48,49.55 v1(79.88,49.15) ; 70.82,96.68 v1(71.22,97.08) ; 73.97,62.63 v1(74.37,62.24) ; v3(171.34,66.53) 171.15,66.71 171.15,67.53 ; 127.66,152.09 v3(127.66,151.1) ; v3(23.75,139.38) 23.32,139.8 C805.2 ; 39.63,142.81 39.63,142.5 40.48,141.65 v3(40.5,141.65) ; 164.9,99.13 164.9,99.62 v3(164.53,100) ; 224.08,63 225.05,63.97 ; 225.05,63.97 226.02,64.94 ; 225.05,63.97 226.02,63 ; 225.05,63.97 224.08,64.94 ; 225.05,63.97 223.75,63.97 ; 195.12,15.3 196.09,14.33 ; 195.12,15.3 196.43,15.3 ; 195.12,15.3 195.12,14 ; 222.38,162.79 v3(222.38,162.08) ; C859.2 v3(35.64,107.86) ; v3(201.6,30.25) 201.6,29.66 201.3,29.36 200.62,29.36 ; C878.2 v3(11.05,119.34) ; R138.2 v3(139.95,17.91) ; v2(136.06,52.99) 135.58,52.51 C1332.2 ; 53.9,149.57 v3(53.9,148.58) ; v3(129.76,26.12) 129.76,27.27 C1752.2 ; 78.7,77.3 v1(79.09,76.9) ; v3(119.81,25.64) 120.16,25.99 120.88,25.99 120.88,25.15 120.3,24.58 119.57,24.58 v3(119.52,24.62) ; v3(18.63,116.44) 